# Allegro board LED_FIN.brd (continued)
## Nets (continued)
ROW_OUT_C37: D9121.3(ANODE) D9122.3(ANODE) D9123.3(ANODE) D9124.3(ANODE) D9125.3(ANODE) D9126.3(ANODE) D9127.3(ANODE) D9128.3(ANODE) D9129.3(ANODE) D9130.3(ANODE) D9131.3(ANODE) D9132.3(ANODE) D9133.3(ANODE) D9134.3(ANODE) D9135.3(ANODE) D9136.3(ANODE) D9137.3(ANODE) D9138.3(ANODE) D9139.3(ANODE) D9140.3(ANODE) D9141.3(ANODE) D9142.3(ANODE) D9143.3(ANODE) D9144.3(ANODE) D9145.3(ANODE) D9146.3(ANODE) D9147.3(ANODE) D9148.3(ANODE) D9149.3(ANODE) D9150.3(ANODE) D10261.3(ANODE) D10262.3(ANODE) D10263.3(ANODE) D10264.3(ANODE) D10265.3(ANODE) D10266.3(ANODE) D10267.3(ANODE) D10268.3(ANODE) D10269.3(ANODE) D10270.3(ANODE) D10271.3(ANODE) D10272.3(ANODE) D10273.3(ANODE) D10274.3(ANODE) D10275.3(ANODE) D10276.3(ANODE) D10277.3(ANODE) D10278.3(ANODE) D10279.3(ANODE) D10280.3(ANODE) D10281.3(ANODE) D10282.3(ANODE) D10283.3(ANODE) D10284.3(ANODE) D10285.3(ANODE) D10286.3(ANODE) D10287.3(ANODE) D10288.3(ANODE) D10289.3(ANODE) D10290.3(ANODE) D11401.3(ANODE) D11402.3(ANODE) D11403.3(ANODE) D11404.3(ANODE) D11405.3(ANODE) D11406.3(ANODE) D11407.3(ANODE) D11408.3(ANODE) D11409.3(ANODE) D11410.3(ANODE) D11411.3(ANODE) D11412.3(ANODE) D11413.3(ANODE) D11414.3(ANODE) D11415.3(ANODE) D11416.3(ANODE) D11417.3(ANODE) D11418.3(ANODE) D11419.3(ANODE) D11420.3(ANODE) D11421.3(ANODE) D11422.3(ANODE) D11423.3(ANODE) D11424.3(ANODE) D11425.3(ANODE) D11426.3(ANODE) D11427.3(ANODE) D11428.3(ANODE) D11429.3(ANODE) D11430.3(ANODE) D12541.3(ANODE) D12542.3(ANODE) D12543.3(ANODE) D12544.3(ANODE) D12545.3(ANODE) D12546.3(ANODE) D12547.3(ANODE) D12548.3(ANODE) D12549.3(ANODE) D12550.3(ANODE) D12551.3(ANODE) D12552.3(ANODE) D12553.3(ANODE) D12554.3(ANODE) D12555.3(ANODE) D12556.3(ANODE) D12557.3(ANODE) D12558.3(ANODE) D12559.3(ANODE) D12560.3(ANODE) D12561.3(ANODE) D12562.3(ANODE) D12563.3(ANODE) D12564.3(ANODE) D12565.3(ANODE) D12566.3(ANODE) D12567.3(ANODE) D12568.3(ANODE) D12569.3(ANODE) D12570.3(ANODE) U87.1(DRAIN)
N3903818: CSS.1 U515.2(EN/SS)
N3903924: CCOMP1.1 CCOMP2.1 U515.4(COMP)
N3903933: CCOMP2.2 RCOMP1.2 U515.5(FB)
N3904120: M1.1(GATE) U515.9(HDRV)
N3904132: CBST.2 L1.1 M1.2(SOURCE) M2.3(DRAIN) U515.8(SW)
N3904203: RPGOOD.2 U515.3(PGOOD)
N3904207: CBYP.1 DS.1(A) RPGOOD.1 U515.6(BP)
N3904607: CBST.1 DS.2(K) U515.10(BOOT)
N3904814: M2.1(GATE) RS.1 U515.7(LDRV/OC)
N3905495: CCOMP3.2 RFBB.1 RFBT.2
N4920136: DS1.1(A) SW1.1
N4920411: RPOWER.2 U516.4(R+) U516.5(G+) U516.6(B+)
N6080683: J1.39(DIP_39) U517.1(PIN)
N6215946: J1.40(DIP_40) U518.1(PIN)
N32006150: R1.2 U155.3(DRAIN)
N32009600: R2.2 U156.3(DRAIN)
N35280400: R3.2 U157.3(DRAIN)
N35280620: R4.2 U158.3(DRAIN)
N35281550: R5.2 U159.3(DRAIN)
N35281770: R6.2 U160.3(DRAIN)
N35282700: R7.2 U161.3(DRAIN)
N35282920: R8.2 U162.3(DRAIN)
N35283870: R9.2 U163.3(DRAIN)
N35284090: R10.2 U164.3(DRAIN)
N35286180: R11.2 U165.3(DRAIN)
N35286400: R12.2 U166.3(DRAIN)
N35286620: R13.2 U167.3(DRAIN)
N35286800: R14.2 U168.3(DRAIN)
N35287060: R15.2 U169.3(DRAIN)
N35287280: R16.2 U170.3(DRAIN)
N35287500: R17.2 U171.3(DRAIN)
N35287720: R18.2 U172.3(DRAIN)
N35287940: R19.2 U173.3(DRAIN)
N35288160: R20.2 U174.3(DRAIN)
N35290300: R21.2 U175.3(DRAIN)
N35290520: R22.2 U176.3(DRAIN)
N35290740: R23.2 U177.3(DRAIN)
N35290920: R24.2 U178.3(DRAIN)
N35291180: R25.2 U179.3(DRAIN)
N35291400: R26.2 U180.3(DRAIN)
N35291620: R27.2 U181.3(DRAIN)
N35291840: R28.2 U182.3(DRAIN)
N35292060: R29.2 U183.3(DRAIN)
N35292280: R30.2 U184.3(DRAIN)
N35332200: R31.2 U185.3(DRAIN)
N35332420: R32.2 U186.3(DRAIN)
N35332640: R33.2 U187.3(DRAIN)
N35332820: R34.2 U188.3(DRAIN)
N35333080: R35.2 U189.3(DRAIN)
N35333300: R36.2 U190.3(DRAIN)
N35333520: R37.2 U191.3(DRAIN)
N35333740: R38.2 U192.3(DRAIN)
N35333960: R39.2 U193.3(DRAIN)
N35334180: R40.2 U194.3(DRAIN)
N35334400: R41.2 U195.3(DRAIN)
N35334620: R42.2 U196.3(DRAIN)
N35334840: R43.2 U197.3(DRAIN)
N35335020: R44.2 U198.3(DRAIN)
N35335280: R45.2 U199.3(DRAIN)
N35335500: R46.2 U200.3(DRAIN)
N35335680: R47.2 U201.3(DRAIN)
N35335940: R48.2 U202.3(DRAIN)
N35336160: R49.2 U203.3(DRAIN)
N35336380: R50.2 U204.3(DRAIN)
N35336600: R51.2 U205.3(DRAIN)
N35336820: R52.2 U206.3(DRAIN)
N35337040: R53.2 U207.3(DRAIN)
N35337220: R54.2 U208.3(DRAIN)
N35337440: R55.2 U209.3(DRAIN)
N35337700: R56.2 U210.3(DRAIN)
N35337920: R57.2 U211.3(DRAIN)
N35338140: R58.2 U212.3(DRAIN)
N35338360: R59.2 U213.3(DRAIN)
N35338580: R60.2 U214.3(DRAIN)
N35358360: R61.2 U215.3(DRAIN)
N35358580: R62.2 U216.3(DRAIN)
N35358800: R63.2 U217.3(DRAIN)
N35358980: R64.2 U218.3(DRAIN)
N35359240: R65.2 U219.3(DRAIN)
N35359460: R66.2 U220.3(DRAIN)
N35359680: R67.2 U221.3(DRAIN)
N35359900: R68.2 U222.3(DRAIN)
N35360120: R69.2 U223.3(DRAIN)
N35360340: R70.2 U224.3(DRAIN)
N35360560: R71.2 U225.3(DRAIN)
N35360780: R72.2 U226.3(DRAIN)
N35361000: R73.2 U227.3(DRAIN)
N35361180: R74.2 U228.3(DRAIN)
N35361440: R75.2 U229.3(DRAIN)
N35361660: R76.2 U230.3(DRAIN)
N35361840: R77.2 U231.3(DRAIN)
N35362100: R78.2 U232.3(DRAIN)
N35362320: R79.2 U233.3(DRAIN)
N35362540: R80.2 U234.3(DRAIN)
N35362760: R81.2 U235.3(DRAIN)
N35362980: R82.2 U236.3(DRAIN)
N35363200: R83.2 U237.3(DRAIN)
N35363380: R84.2 U238.3(DRAIN)
N35363600: R85.2 U239.3(DRAIN)
N35363860: R86.2 U240.3(DRAIN)
N35364080: R87.2 U241.3(DRAIN)
N35364300: R88.2 U242.3(DRAIN)
N35364520: R89.2 U243.3(DRAIN)
N35364740: R90.2 U244.3(DRAIN)
N35384990: R91.2 U245.3(DRAIN)
N35385210: R92.2 U246.3(DRAIN)
N35385430: R93.2 U247.3(DRAIN)
N35385610: R94.2 U248.3(DRAIN)
N35385870: R95.2 U249.3(DRAIN)
N35386090: R96.2 U250.3(DRAIN)
N35386310: R97.2 U251.3(DRAIN)
N35386530: R98.2 U252.3(DRAIN)
N35386750: R99.2 U253.3(DRAIN)
N35386970: R100.2 U254.3(DRAIN)
N35387190: R101.2 U255.3(DRAIN)
N35387410: R102.2 U256.3(DRAIN)
N35387630: R103.2 U257.3(DRAIN)
N35387810: R104.2 U258.3(DRAIN)
N35388070: R105.2 U259.3(DRAIN)
N35388290: R106.2 U260.3(DRAIN)
N35388470: R107.2 U261.3(DRAIN)
N35388730: R108.2 U262.3(DRAIN)
N35388950: R109.2 U263.3(DRAIN)
N35389170: R110.2 U264.3(DRAIN)
N35389390: R111.2 U265.3(DRAIN)
N35389610: R112.2 U266.3(DRAIN)
N35389830: R113.2 U267.3(DRAIN)
N35390010: R114.2 U268.3(DRAIN)
N35390230: R115.2 U269.3(DRAIN)
N35390490: R116.2 U270.3(DRAIN)
N35390710: R117.2 U271.3(DRAIN)
N35390930: R118.2 U272.3(DRAIN)
N35391150: R119.2 U273.3(DRAIN)
N35391370: R120.2 U274.3(DRAIN)
N37150590: R174.2 U275.3(DRAIN)
N37150810: R175.2 U276.3(DRAIN)
N37151070: R176.2 U277.3(DRAIN)
N37151290: R177.2 U278.3(DRAIN)
N37151510: R178.2 U279.3(DRAIN)
N37151730: R179.2 U280.3(DRAIN)
N37151950: R180.2 U281.3(DRAIN)
N37155190: R181.2 U282.3(DRAIN)
N37155410: R182.2 U283.3(DRAIN)
N37155630: R183.2 U284.3(DRAIN)
N37155810: R184.2 U285.3(DRAIN)
N37156070: R185.2 U286.3(DRAIN)
N37156290: R186.2 U287.3(DRAIN)
N37156510: R187.2 U288.3(DRAIN)
N37156730: R188.2 U289.3(DRAIN)
N37156950: R189.2 U290.3(DRAIN)
N37157170: R190.2 U291.3(DRAIN)
N37157390: R191.2 U292.3(DRAIN)
N37157570: R192.2 U293.3(DRAIN)
N37157830: R193.2 U294.3(DRAIN)
N37158010: R194.2 U295.3(DRAIN)
N37158270: R195.2 U296.3(DRAIN)
N37158490: R196.2 U297.3(DRAIN)
N37158670: R197.2 U298.3(DRAIN)
N37158930: R198.2 U299.3(DRAIN)
N37159150: R199.2 U300.3(DRAIN)
N37159330: R200.2 U301.3(DRAIN)
N37159590: R201.2 U302.3(DRAIN)
N37159810: R202.2 U303.3(DRAIN)
N37160030: R203.2 U304.3(DRAIN)
N37160210: R204.2 U305.3(DRAIN)
N37160430: R205.2 U306.3(DRAIN)
N37160690: R206.2 U307.3(DRAIN)
N37160910: R207.2 U308.3(DRAIN)
N37161090: R208.2 U309.3(DRAIN)
N37161350: R209.2 U310.3(DRAIN)
N37161570: R210.2 U311.3(DRAIN)
N37164870: R121.2 U312.3(DRAIN)
N37165090: R122.2 U313.3(DRAIN)
N37165430: R211.2 U314.3(DRAIN)
N37165650: R212.2 U315.3(DRAIN)
N37165830: R213.2 U316.3(DRAIN)
N37166050: R214.2 U317.3(DRAIN)
N37166310: R215.2 U318.3(DRAIN)
N37166530: R216.2 U319.3(DRAIN)
N37166750: R217.2 U320.3(DRAIN)
N37166970: R218.2 U321.3(DRAIN)
N37167190: R219.2 U322.3(DRAIN)
N37167410: R220.2 U323.3(DRAIN)
N37167590: R221.2 U324.3(DRAIN)
N37167850: R222.2 U325.3(DRAIN)
N37168070: R223.2 U326.3(DRAIN)
N37168250: R224.2 U327.3(DRAIN)
N37168670: R225.2 U328.3(DRAIN)
N37168890: R226.2 U329.3(DRAIN)
N37169070: R227.2 U330.3(DRAIN)
N37169490: R228.2 U331.3(DRAIN)
N37169651: R123.2 U344.3(DRAIN)
N37169830: R229.2 U332.3(DRAIN)
N37170031: R124.2 U345.3(DRAIN)
N37170250: R230.2 U333.3(DRAIN)
N37170411: R125.2 U346.3(DRAIN)
N37170630: R231.2 U334.3(DRAIN)
N37170791: R126.2 U347.3(DRAIN)
N37171010: R232.2 U335.3(DRAIN)
N37171211: R127.2 U348.3(DRAIN)
N37171390: R233.2 U336.3(DRAIN)
N37171570: R234.2 U337.3(DRAIN)
N37171750: R235.2 U338.3(DRAIN)
N37171911: R128.2 U349.3(DRAIN)
N37172111: R129.2 U350.3(DRAIN)
N37172370: R236.2 U339.3(DRAIN)
N37172550: R237.2 U340.3(DRAIN)
N37172810: R238.2 U341.3(DRAIN)
N37173030: R239.2 U342.3(DRAIN)
N37173250: R240.2 U343.3(DRAIN)
N37173411: R130.2 U351.3(DRAIN)
N37173671: R131.2 U352.3(DRAIN)
N37173951: R132.2 U353.3(DRAIN)
N37174291: R133.2 U354.3(DRAIN)
N37174631: R134.2 U355.3(DRAIN)
N37174911: R135.2 U356.3(DRAIN)
N37175251: R136.2 U357.3(DRAIN)
N37175591: R137.2 U358.3(DRAIN)
N37175871: R138.2 U359.3(DRAIN)
N37177331: R139.2 U360.3(DRAIN)
N37177651: R140.2 U361.3(DRAIN)
N37177971: R141.2 U362.3(DRAIN)
N37178291: R142.2 U363.3(DRAIN)
N37178611: R143.2 U364.3(DRAIN)
N37178771: R144.2 U365.3(DRAIN)
N37178931: R145.2 U366.3(DRAIN)
N37179091: R146.2 U367.3(DRAIN)
N37179251: R147.2 U368.3(DRAIN)
N37179411: R148.2 U369.3(DRAIN)
N37179571: R149.2 U370.3(DRAIN)
N37179731: R150.2 U371.3(DRAIN)
N37179891: R151.2 U372.3(DRAIN)
N37180051: R152.2 U373.3(DRAIN)
N37180211: R153.2 U374.3(DRAIN)
N37180371: R154.2 U375.3(DRAIN)
N37180531: R155.2 U376.3(DRAIN)
N37180691: R156.2 U377.3(DRAIN)
N37180851: R157.2 U378.3(DRAIN)
N37181011: R158.2 U379.3(DRAIN)
N37181171: R159.2 U380.3(DRAIN)
N37181331: R160.2 U381.3(DRAIN)
N37181491: R161.2 U382.3(DRAIN)
N37181651: R162.2 U383.3(DRAIN)
N37181811: R163.2 U384.3(DRAIN)
N37181971: R164.2 U385.3(DRAIN)
N37182131: R165.2 U386.3(DRAIN)
N37182291: R166.2 U387.3(DRAIN)
N37182451: R167.2 U388.3(DRAIN)
N37182611: R168.2 U389.3(DRAIN)
N37182771: R169.2 U390.3(DRAIN)
N37182931: R170.2 U391.3(DRAIN)
N37183091: R171.2 U392.3(DRAIN)
N37183251: R172.2 U393.3(DRAIN)
N37183411: R173.2 U394.3(DRAIN)
N37314870: R294.2 U395.3(DRAIN)
N37315090: R295.2 U396.3(DRAIN)
N37315350: R296.2 U397.3(DRAIN)
N37315570: R297.2 U398.3(DRAIN)
N37315790: R298.2 U399.3(DRAIN)
N37316010: R299.2 U400.3(DRAIN)
N37316230: R300.2 U401.3(DRAIN)
N37319470: R301.2 U402.3(DRAIN)
N37319690: R302.2 U403.3(DRAIN)
N37319910: R303.2 U404.3(DRAIN)
N37320090: R304.2 U405.3(DRAIN)
N37320350: R305.2 U406.3(DRAIN)
N37320570: R306.2 U407.3(DRAIN)
N37320790: R307.2 U408.3(DRAIN)
N37321010: R308.2 U409.3(DRAIN)
N37321230: R309.2 U410.3(DRAIN)
N37321450: R310.2 U411.3(DRAIN)
N37321670: R311.2 U412.3(DRAIN)
N37321850: R312.2 U413.3(DRAIN)
N37322110: R313.2 U414.3(DRAIN)
N37322290: R314.2 U415.3(DRAIN)
N37322550: R315.2 U416.3(DRAIN)
N37322770: R316.2 U417.3(DRAIN)
N37322950: R317.2 U418.3(DRAIN)
N37323210: R318.2 U419.3(DRAIN)
N37323430: R319.2 U420.3(DRAIN)
N37323610: R320.2 U421.3(DRAIN)
N37323870: R321.2 U422.3(DRAIN)
N37324090: R322.2 U423.3(DRAIN)
N37324310: R323.2 U424.3(DRAIN)
N37324490: R324.2 U425.3(DRAIN)
N37324710: R325.2 U426.3(DRAIN)
N37324970: R326.2 U427.3(DRAIN)
N37325190: R327.2 U428.3(DRAIN)
N37325370: R328.2 U429.3(DRAIN)
N37325630: R329.2 U430.3(DRAIN)
N37325850: R330.2 U431.3(DRAIN)
N37329150: R241.2 U432.3(DRAIN)
N37329370: R242.2 U433.3(DRAIN)
N37329710: R331.2 U434.3(DRAIN)
N37329930: R332.2 U435.3(DRAIN)
N37330110: R333.2 U436.3(DRAIN)
N37330330: R334.2 U437.3(DRAIN)
N37330590: R335.2 U438.3(DRAIN)
N37330810: R336.2 U439.3(DRAIN)
N37331030: R337.2 U440.3(DRAIN)
N37331250: R338.2 U441.3(DRAIN)
N37331470: R339.2 U442.3(DRAIN)
N37331690: R340.2 U443.3(DRAIN)
N37331870: R341.2 U444.3(DRAIN)
N37332130: R342.2 U445.3(DRAIN)
N37332350: R343.2 U446.3(DRAIN)
N37332530: R344.2 U447.3(DRAIN)
N37332950: R345.2 U448.3(DRAIN)
N37333170: R346.2 U449.3(DRAIN)
N37333350: R347.2 U450.3(DRAIN)
N37333770: R348.2 U451.3(DRAIN)
N37333931: R243.2 U464.3(DRAIN)
N37334110: R349.2 U452.3(DRAIN)
N37334311: R244.2 U465.3(DRAIN)
N37334530: R350.2 U453.3(DRAIN)
N37334691: R245.2 U466.3(DRAIN)
N37334910: R351.2 U454.3(DRAIN)
N37335071: R246.2 U467.3(DRAIN)
N37335290: R352.2 U455.3(DRAIN)
N37335491: R247.2 U468.3(DRAIN)
N37335670: R353.2 U456.3(DRAIN)
N37335850: R354.2 U457.3(DRAIN)
N37336030: R355.2 U458.3(DRAIN)
N37336191: R248.2 U469.3(DRAIN)
N37336391: R249.2 U470.3(DRAIN)
N37336650: R356.2 U459.3(DRAIN)
N37336830: R357.2 U460.3(DRAIN)
N37337090: R358.2 U461.3(DRAIN)
N37337310: R359.2 U462.3(DRAIN)
N37337530: R360.2 U463.3(DRAIN)
N37337691: R250.2 U471.3(DRAIN)
N37337951: R251.2 U472.3(DRAIN)
N37338231: R252.2 U473.3(DRAIN)
N37338571: R253.2 U474.3(DRAIN)
N37338911: R254.2 U475.3(DRAIN)
N37339191: R255.2 U476.3(DRAIN)
N37339531: R256.2 U477.3(DRAIN)
N37339871: R257.2 U478.3(DRAIN)
N37340151: R258.2 U479.3(DRAIN)
N37341611: R259.2 U480.3(DRAIN)
N37341931: R260.2 U481.3(DRAIN)
N37342251: R261.2 U482.3(DRAIN)
N37342571: R262.2 U483.3(DRAIN)
N37342891: R263.2 U484.3(DRAIN)
N37343051: R264.2 U485.3(DRAIN)
N37343211: R265.2 U486.3(DRAIN)
N37343371: R266.2 U487.3(DRAIN)
N37343531: R267.2 U488.3(DRAIN)
N37343691: R268.2 U489.3(DRAIN)
N37343851: R269.2 U490.3(DRAIN)
N37344011: R270.2 U491.3(DRAIN)
N37344171: R271.2 U492.3(DRAIN)
N37344331: R272.2 U493.3(DRAIN)
N37344491: R273.2 U494.3(DRAIN)
N37344651: R274.2 U495.3(DRAIN)
N37344811: R275.2 U496.3(DRAIN)
N37344971: R276.2 U497.3(DRAIN)
N37345131: R277.2 U498.3(DRAIN)
N37345291: R278.2 U499.3(DRAIN)
N37345451: R279.2 U500.3(DRAIN)
N37345611: R280.2 U501.3(DRAIN)
N37345771: R281.2 U502.3(DRAIN)
N37345931: R282.2 U503.3(DRAIN)
N37346091: R283.2 U504.3(DRAIN)
N37346251: R284.2 U505.3(DRAIN)
N37346411: R285.2 U506.3(DRAIN)
N37346571: R286.2 U507.3(DRAIN)
N37346731: R287.2 U508.3(DRAIN)
N37346891: R288.2 U509.3(DRAIN)
N37347051: R289.2 U510.3(DRAIN)
N37347211: R290.2 U511.3(DRAIN)
N37347371: R291.2 U512.3(DRAIN)
N37347531: R292.2 U513.3(DRAIN)
N37347691: R293.2 U514.3(DRAIN)
N39035160: CCOMP1.2 RCOMP1.1
N39052251: CCOMP3.1 RCOMP2.2

Pads without a net: J1 60 61 62 63 64 65 66 67 68 69 70 71 72 73 74 75 76 77 78 79 80; J2 20 21 22 23 24 25 26 27 28 29 30 31 32 33 34 35 36 37 38 39 40 79 80; J6 41 42 43 44 45 46 47 48 49 50 51 52 53 54 55 56 57 58 59 60 61 62 63 64 65 66 67 68 69 70 71 72 73 74 75 76 77 78 79 80; J7 41 42 43 44 45 46 47 48 49 50 51 52 53 54 55 56 57 58 59 60 61 62 63 64 65 66 67 68 69 70 71 72 73 74 75 76 77 78 79 80; J8 41 42 43 44 45 46 47 48 49 50 51 52 53 54 55 56 57 58 59 60 61 62 63 64 65 66 67 68 69 70 71 72 73 74 75 76 77 78 79 80; SW1 3 4 5 6

## Via types
v1: diameter 0.4, hole 0.3, TOP to BOTTOM, 14449 vias
v2: diameter 0.5, hole 0.4, TOP to BOTTOM, 198 vias

## Routing (per net, layer and track width the routed paths; a pad name or vN(x,y) marks a point on that pad's centre or on a via; arc(x,y) is an arc through that point)
3.3V: length 1196.4
  TOP w0.2: v2(15.6,38.5) 15.95,38.5 v2(16.2,38.25)
  TOP w0.4: v2(15.6,38.5) v2(15.6,39)
  TOP w0.5: U73.3 v2(278.75,248.85) ; U67.3 v2(278.75,260.85) ; U55.3 v2(278.75,284.85) ; U41.3 v2(278.75,312.85) ; U53.3 v2(278.75,288.85) ; U71.3 v2(278.75,252.85) ; U89.3 v2(278.75,236.85) ; U102.3 v2(278.75,210.85) ; U63.3 v2(278.75,268.85) ; U52.3 v2(278.75,290.85) ; U39.3 v2(278.75,316.85) ; U99.3 v2(278.75,216.85) ; U101.3 v2(278.75,212.85) ; U48.3 v2(278.75,298.85) ; U64.3 v2(278.75,266.85) ; U70.3 v2(278.75,254.85) ; RCOMP2.1 v2(27.73,27) ; U94.3 v2(278.75,226.85) ; U100.3 v2(278.75,214.85) ; U90.3 v2(278.75,234.85) ; U43.3 v2(278.75,308.85) ; U49.3 v2(278.75,296.85) ; 28.15,25.3 RFBT.1 ; U72.3 v2(278.75,250.85) ; U59.3 v2(278.75,276.85) ; U69.3 v2(278.75,256.85) ; U74.3 v2(278.75,246.85) ; U68.3 v2(278.75,258.85) ; L1.2 v2(27.73,21.75) ; U93.3 v2(278.75,228.85) ; U91.3 v2(278.75,232.85) ; U50.3 v2(278.75,294.85) ; U88.3 v2(278.75,238.85) ; U65.3 v2(278.75,264.85) ; U87.3 v2(278.75,240.85) ; U95.3 v2(278.75,224.85) ; U40.3 v2(278.75,314.85) ; U62.3 v2(278.75,270.85) ; U97.3 v2(278.75,220.85) ; U76.3 v2(278.75,242.85) ; U96.3 v2(278.75,222.85) ; U42.3 v2(278.75,310.85) ; U56.3 v2(278.75,282.85) ; U46.3 v2(278.75,302.85) ; U104.3 v2(278.75,206.85) ; U105.3 v2(278.75,204.85) ; U103.3 v2(278.75,208.85) ; U57.3 v2(278.75,280.85) ; U75.3 v2(278.75,244.85) ; U44.3 v2(278.75,306.85) ; U66.3 v2(278.75,262.85) ; U61.3 v2(278.75,272.85) ; U51.3 v2(278.75,292.85) ; U92.3 v2(278.75,230.85) ; U60.3 v2(278.75,274.85) ; U45.3 v2(278.75,304.85) ; U98.3 v2(278.75,218.85) ; U54.3 v2(278.75,286.85) ; U47.3 v2(278.75,300.85) ; U58.3 v2(278.75,278.85)
  TOP w0.6: U15.3 v2(36.85,364.85) ; U107.3 v2(36.85,200.85) ; U112.3 v2(36.85,190.85) ; U28.3 v2(36.85,338.85) ; U6.3 v2(36.85,382.85) ; U16.3 v2(36.85,362.85) ; U111.3 v2(36.85,192.85) ; U78.3 v2(36.85,182.85) ; U10.3 v2(36.85,374.85) ; U4.3 v2(36.85,386.85) ; U26.3 v2(36.85,342.85) ; U18.3 v2(36.85,358.85) ; U86.3 v2(36.85,166.85) ; U21.3 v2(36.85,352.85) ; U22.3 v2(36.85,350.85) ; U13.3 v2(36.85,368.85) ; U23.3 v2(36.85,348.85) ; U38.3 v2(36.85,318.85) ; U113.3 v2(36.85,188.85) ; U106.3 v2(36.85,202.85) ; U32.3 v2(36.85,330.85) ; U37.3 v2(36.85,320.85) ; U27.3 v2(36.85,340.85) ; U29.3 v2(36.85,336.85) ; U5.3 v2(36.85,384.85) ; U108.3 v2(36.85,198.85) ; U30.3 v2(36.85,334.85) ; U79.3 v2(36.85,180.85) ; U12.3 v2(36.85,370.85) ; U114.3 v2(36.85,186.85) ; U24.3 v2(36.85,346.85) ; U80.3 v2(36.85,178.85) ; U34.3 v2(36.85,326.85) ; U83.3 v2(36.85,172.85) ; U9.3 v2(36.85,376.85) ; U109.3 v2(36.85,196.85) ; U1.3 v2(36.85,392.85) ; U110.3 v2(36.85,194.85) ; U77.3 v2(36.85,184.85) ; 14.45,37.75 COUT.1 ; U11.3 v2(36.85,372.85) ; U2.3 v2(36.85,390.85) ; U14.3 v2(36.85,366.85) ; U25.3 v2(36.85,344.85) ; U35.3 v2(36.85,324.85) ; U82.3 v2(36.85,174.85) ; U33.3 v2(36.85,328.85) ; U8.3 v2(36.85,378.85) ; U36.3 v2(36.85,322.85) ; U19.3 v2(36.85,356.85) ; U3.3 v2(36.85,388.85) ; U20.3 v2(36.85,354.85) ; U17.3 v2(36.85,360.85) ; U7.3 v2(36.85,380.85) ; U31.3 v2(36.85,332.85) ; U81.3 v2(36.85,176.85) ; U85.3 v2(36.85,168.85) ; U84.3 v2(36.85,170.85)
  TOP w1.5: v2(15.6,38.5) 14.85,37.75 14.45,37.75 ; 28.15,25.3 28.15,26.58 v2(27.73,27)
  BOTTOM w0.2: v2(15.6,37.75) v2(15.6,38.5) 15.05,37.95 v2(15.05,37.9)
  BOTTOM w0.4: 16.42,37.68 16.42,38.29 16.01,38.7 15.81,38.5 v2(15.6,38.5) 14.9,38.5 v2(14.75,38.35)
  BOTTOM w0.5: v2(278.75,290.85) 279.15,290.85 ; v2(278.75,316.85) 279.15,316.85 ; v2(278.75,246.85) 279.15,246.85 ; v2(278.75,270.85) 279.15,270.85 ; v2(278.75,262.85) 279.15,262.85 ; v2(278.75,280.85) 279.15,280.85 ; v2(278.75,300.85) 279.15,300.85 ; v2(278.75,254.85) 279.15,254.85 ; v2(278.75,304.85) 279.15,304.85 ; v2(278.75,276.85) 279.15,276.85 ; v2(278.75,310.85) 279.15,310.85 ; v2(278.75,272.85) 279.15,272.85 ; v2(278.75,288.85) 279.15,288.85 ; v2(278.75,238.85) 279.15,238.85 ; v2(278.75,204.85) 279.15,205.25 279.15,206.85 v2(278.75,206.85) ; v2(278.75,278.85) 279.15,278.85 ; v2(278.75,266.85) 279.15,266.85 ; v2(278.75,226.85) 279.15,226.85 ; v2(278.75,286.85) 279.15,286.85 ; v2(278.75,240.85) 279.15,240.85 ; v2(278.75,230.85) 279.15,230.85 ; v2(278.75,314.85) 279.15,314.85 ; v2(278.75,264.85) 279.15,264.85 ; v2(278.75,234.85) 279.15,234.85 ; v2(278.75,224.85) 279.15,224.85 ; v2(278.75,306.85) 279.15,306.85 ; v2(278.75,292.85) 279.15,292.85 ; v2(278.75,218.85) 279.15,218.85 ; v2(278.75,312.85) 279.15,312.85 ; v2(278.75,274.85) 279.15,274.85 ; v2(278.75,268.85) 279.15,268.85 ; v2(278.75,212.85) 279.15,212.85 ; v2(278.75,250.85) 279.15,250.85 ; v2(278.75,220.85) 279.15,220.85 ; v2(278.75,210.85) 279.15,210.85 ; v2(278.75,216.85) 279.15,216.85 ; v2(278.75,244.85) 279.15,244.85 ; v2(278.75,236.85) 279.15,236.85 ; v2(278.75,260.85) 279.15,260.85 ; v2(278.75,222.85) 279.15,222.85 ; v2(278.75,308.85) 279.15,308.85 ; v2(278.75,242.85) 279.15,242.85 ; v2(278.75,256.85) 279.15,256.85 ; v2(278.75,214.85) 279.15,214.85 ; v2(278.75,208.85) 279.15,208.85 ; v2(278.75,294.85) 279.15,294.85 ; v2(278.75,228.85) 279.15,228.85 ; v2(278.75,296.85) 279.15,296.85 ; v2(278.75,282.85) 279.15,282.85 ; v2(278.75,252.85) 279.15,252.85 ; v2(278.75,232.85) 279.15,232.85 ; v2(278.75,298.85) 279.15,298.85 ; v2(278.75,302.85) 279.15,302.85 ; v2(278.75,284.85) 279.15,284.85 ; v2(278.75,258.85) 279.15,258.85 ; v2(278.75,248.85) 279.15,248.85
  BOTTOM w0.6: v2(36.85,184.85) 36.05,184.85 ; v2(36.85,186.85) 36.05,186.85 ; v2(36.85,382.85) 36.05,382.85 ; v2(36.85,348.85) 36.05,348.85 ; v2(36.85,386.85) 36.05,386.85 ; v2(36.85,364.85) 36.05,364.85 ; 36.05,392.55 36.35,392.85 v2(36.85,392.85) ; v2(36.85,378.85) 36.05,378.85 ; v2(36.85,202.85) 36.05,202.85 ; v2(36.85,196.85) 36.05,196.85 ; v2(36.85,320.85) 36.05,320.85 ; v2(36.85,192.85) 36.05,192.85 ; v2(36.85,168.85) 36.05,168.85 ; v2(36.85,330.85) 36.05,330.85 ; v2(36.85,172.85) 36.05,172.85 ; 36.05,166.05 v2(36.85,166.85) ; v2(36.85,176.85) 36.05,176.85 ; v2(36.85,336.85) 36.05,336.85 ; v2(36.85,178.85) 36.05,178.85 ; v2(36.85,318.85) 36.05,318.85 ; v2(36.85,362.85) 36.05,362.85 ; v2(36.85,174.85) 36.05,174.85 ; v2(36.85,360.85) 36.05,360.85 ; v2(36.85,384.85) 36.05,384.85 ; v2(36.85,342.85) 36.05,342.85 ; v2(36.85,358.85) 36.05,358.85 ; v2(36.85,324.85) 36.05,324.85 ; v2(36.85,200.85) 36.05,200.85 ; v2(36.85,372.85) 36.05,372.85 ; v2(36.85,354.85) 36.05,354.85 ; v2(36.85,374.85) 36.05,374.85 ; v2(36.85,180.85) 36.05,180.85 ; v2(36.85,322.85) 36.05,322.85 ; v2(36.85,356.85) 36.05,356.85 ; v2(36.85,366.85) 36.05,366.85 ; v2(36.85,170.85) 36.05,170.85 ; v2(36.85,194.85) 36.05,194.85 ; v2(36.85,332.85) 36.05,332.85 ; v2(36.85,380.85) 36.05,380.85 ; v2(36.85,346.85) 36.05,346.85 ; v2(36.85,198.85) 36.05,198.85 ; v2(36.85,190.85) 36.05,190.85 ; v2(36.85,390.85) 36.05,390.85 ; v2(36.85,352.85) 36.05,352.85 ; v2(36.85,344.85) 36.05,344.85 ; v2(36.85,328.85) 36.05,328.85 ; v2(36.85,334.85) 36.05,334.85 ; v2(36.85,338.85) 36.05,338.85 ; v2(36.85,376.85) 36.05,376.85 ; v2(36.85,350.85) 36.05,350.85 ; v2(36.85,388.85) 36.05,388.85 ; v2(36.85,340.85) 36.05,340.85 ; v2(36.85,368.85) 36.05,368.85 ; v2(36.85,188.85) 36.05,188.85 ; v2(36.85,182.85) 36.05,182.85 ; v2(36.85,326.85) 36.05,326.85 ; v2(36.85,370.85) 36.05,370.85
  BOTTOM w1.5: U519.1 15.6,48.95 ; v2(27.73,21.75) v2(27.73,27) 27.73,30 24.83,32.9 21.2,32.9 16.42,37.68
  BOTTOM w3: 36.05,166.05 36.05,392.25 ; 279.15,206.85 279.15,393.59 275.69,397.05 40.55,397.05 36.05,392.55 36.05,392.25 ; 36.05,392.25 15.6,371.8 v2(15.6,39)
GND: length 3529.5